# KiCad board FrontEnd_5G.kicad_pcb (continued)
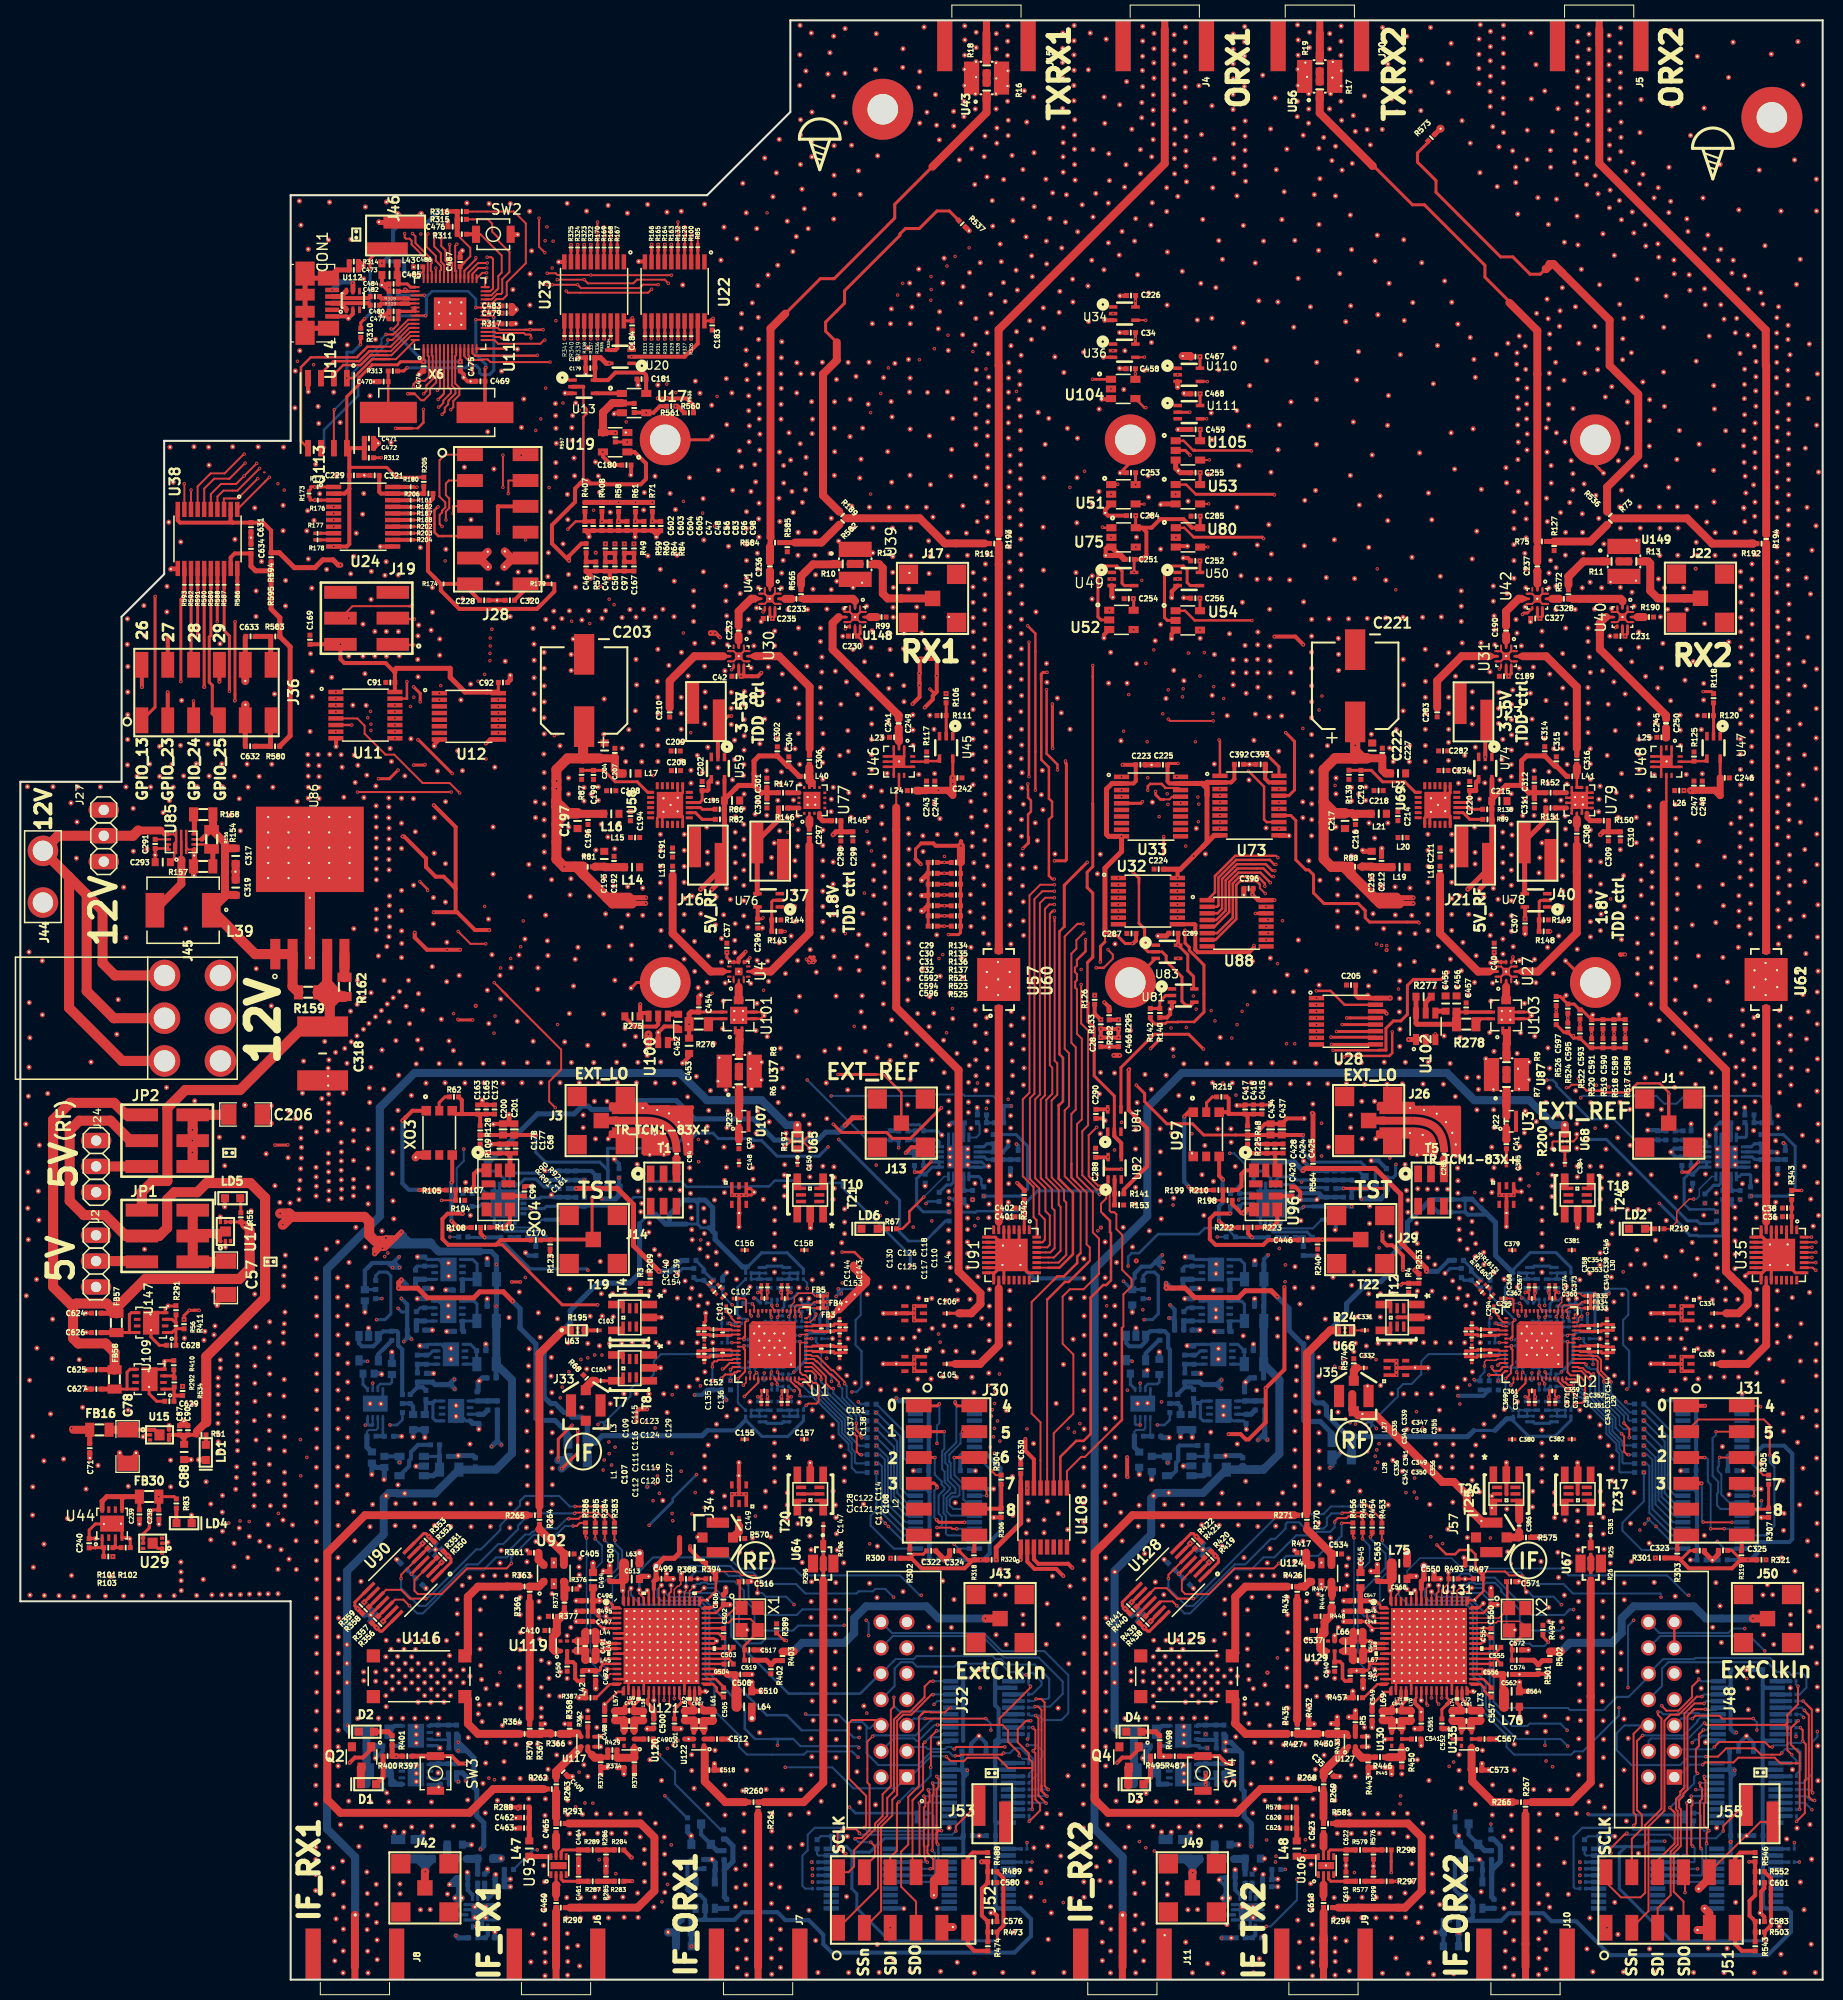
[diagram p0: board, top side]
## Routing (per net, layer and track width the routed paths; a pad name or vN(x,y) marks a point on that pad's centre or on a via; arc(x,y) is an arc through that point) (continued)
+5V_USB: length 71.8
  F.RO w0.4: C87.1 16.1,53.1 C88.1 16.1,53.18 C90.1 ; C87.1 U15.5 U15.4 ; C87.1 C90.1 ; C90.1 R51.1
  F.RO w0.5: R51.1 17.35,53.89
  F.RO w0.79: 17.35,53.89 18.24,54.78 18.28,54.78
  F.RO w1: 18.28,54.78 18.28,61.24 24.06,67.02 24.06,76.85 22.61,78.3 18.3,78.3 17.4,77.4 15.15,77.4 14.43,76.68 14.43,73.89 13.63,73.09 JP1.3 10.38,73.09 8.32,75.15 6.25,75.15 4.85,76.55 4.85,83.47 5.81,84.43 8.86,84.43 10.83,82.47 11.94,82.47
+12V: length 79.8
  F.RO w0.2: U85.1 15.31,112.35 15.08,112.58 U85.8
  F.RO w0.25: U85.1 15.13,111.65 15.13,110.22 C293.2 14.92,109.84
  F.RO w0.4: 13.78,112.95 14.15,112.58 U85.8
  F.RO w0.79: 13.78,112.95 11.58,112.95
  F.RO w1: 4.79,108.38 4.79,95.51 10,90.3 J45.1 ; 4.79,108.38 6.52,106.65 ; 4.79,108.38 J44.1 3.7,112.44 J27.2 11.06,112.44 11.58,112.95 ; 6.52,106.65 6.52,97.17 9.19,94.5 J45.2 ; 6.52,106.65 8.08,105.09 8.08,99.92 9.3,98.7 J45.3
/Clocks/VDD_CKBUF: length 95.1
  F.RO w0.3: v2(106.58,79.76) 106.68,79.66 v2(108.24,79.66)
  F.FR4 w0.3: 66.18,81.55 65.09,81.55 64.94,81.7 60.25,81.7 57.14,78.59 v2(55.44,78.59) ; 66.18,81.55 66.26,81.55 ; 66.18,81.55 67.85,81.55 68.76,82.46 72.51,82.46 73.81,81.16 80.33,81.16 80.52,81.35 84.8,81.35 87.63,78.52 87.98,78.52 88.35,78.89 89.63,78.89 90,78.52 93.11,78.52 93.11,79.13 95.83,79.13 95.83,79.15 96.44,79.76 v2(106.58,79.76) ; v2(125.94,78.4) 125.9,78.44 119.88,78.44 118.46,79.86 111.24,79.86 110.54,79.16 109.23,79.16 108.73,79.66 v2(108.24,79.66)
  B2.RO w0.3: v2(125.94,78.4) 126.14,78.59 126.35,78.59 ; U21.9 48.11,78.99 48.4,79.28 50.89,79.28 51.58,78.59 C176.1 ; 126.35,78.59 125.49,78.59 125.17,78.91 123.74,78.91 123.41,78.58 U99.9 ; 126.35,78.59 127.03,78.59
  B2.RO w0.4: R235.1 C442.1 C441.1 C439.1 128.41,78.59 127.03,78.59 ; v2(55.44,78.59) C174.2 54.57,78.58 C175.1 53.75,78.59 C176.1 52.97,78.59 51.59,78.59
/Clocks/VDDO_CKBUF: length 121
  F.RO w0.25: v2(130.87,76) 130.88,75.99
  F.FR4 w0.25: 90.53,68 91.59,68 92.1,68.51 94.8,68.51 94.97,68.68 94.97,68.67 ; 124.63,69.3 124.73,69.4
  F.FR4 w0.3: 90.53,68 89.58,68.95 88.69,68.95 v2(87.49,70.15) ; 106.5,67.95 107.36,68.81 107.72,68.81 108.21,69.3 112.41,69.3 ; v2(126.11,75.94) 125.53,75.94 125.16,76.31 120.1,76.31 v2(119.77,76.64) ; v2(45.04,76.76) 45.51,76.29 48.59,76.29 49.09,75.79 v2(50.22,75.79)
  F.FR4 w0.4: 106.5,67.95 103.98,67.95 103.26,68.67 94.97,68.67 ; 124.73,69.4 126.94,69.4 128.09,68.25 129.79,68.25 v2(131.1,69.56) ; 124.63,69.3 120.17,69.3 119.44,68.57 115.99,68.57 115.26,69.3 113.95,69.3 113.55,69.7 112.92,69.7 112.52,69.3 112.41,69.3
  B.FR4 w0.25: v2(130.87,76) 131.1,75.77 v2(131.1,69.56)
  B2.RO w0.25: 87.49,71.18 80.76,77.91 80.76,78.31 79.23,78.31 79.04,78.12 76.34,78.12 75.93,78.53 74.16,78.53 73.6,77.97 71.7,77.97 71.66,77.93 65.49,77.93 64.97,78.45 61.4,78.45 61.3,78.35 61.3,76.9 60.29,76.9 59.39,76 R115.1
  B2.RO w0.3: C166.2 51.72,76.01 51.5,75.79 v2(50.22,75.79) U21.14 ; v2(45.04,76.76) 45.07,76.79 U21.4 ; v2(119.77,76.64) 119.92,76.79 U99.4 ; C443.1 126.18,76.01 v2(126.11,75.94) 125.96,75.79 U99.14 ; v2(87.49,70.15) 87.49,71.18
  B2.RO w0.4: v2(130.87,76) 130.86,76.01 C445.1 C444.1 C443.1 128.39,76 127.03,76 ; R115.1 C164.1 C168.1 52.98,76 C166.2
/LMS8001_RF/VDDTX_#1: length 93.4
  B2.RO w0.3: FB27.1 76.98,54.93 75.45,53.4 72.9,53.4 71.29,55.01 FB26.1 ; FB28.1 76.98,69.84 75.38,71.44 72.87,71.44 71.29,69.86 FB25.1 ; 70.99,70.06 68.29,72.75 68.29,73.34 67.73,73.9 ; 66.56,74.27 66.93,73.9 67.71,73.9 ; 66.56,74.27 65.43,74.27 ; 66.56,74.27 66.59,74.3 66.59,76.26 66.44,76.41 66.44,76.61 ; 61.91,75.23 61.87,75.19 61.74,75.19 60.87,74.32 ; 67.31,76.63 67.19,76.63
  B2.RO w0.4: 67.55,53.99 70.28,53.99 71.29,55.01 ; 52.42,56.62 52.59,56.62
  B2.RO w0.5: 56.62,52.88 57.2,53.46 67.02,53.46 67.55,53.99 ; 61.91,75.23 62.46,75.23 63.42,74.27 63.8,74.27 ; 52.42,56.62 52.14,56.62 51.88,56.88 51.88,56.86 51.5,57.24 51.5,61.99 54.05,64.54 54.05,65.76 56.76,68.47 59.88,68.47 60.87,69.46 60.87,74.32 ; 68.06,73.57 67.73,73.9 67.71,73.9 ; 68.06,73.57 68.29,73.34 68.29,72.75 70.99,70.06 71.49,70.06 ; 68.06,73.57 68.06,75.88 67.31,76.63 ; 63.8,74.27 63.8,75.21 65.22,76.63 65.68,76.63 65.7,76.61 66.7,76.61 66.72,76.63 67.19,76.63 ; 63.8,74.27 65.48,74.27 ; 52.59,56.62 53.47,55.74 53.79,55.74 54.24,55.29 55.22,55.29 55.73,54.78 55.73,53.06 R93.1
  B2.RO w0.79: R98.1 55.72,51.08 R93.1 56.62,52.88
/LMS8001_RF/VDDTX_#2: length 87.4
  B2.RO w0.3: FB50.1 152.43,54.99 150.85,53.41 148.26,53.41 146.75,54.93 FB49.1 ; FB51.1 152.43,70 150.96,71.46 148.42,71.46 146.74,69.78 FB48.1 ; 144.95,53.98 142.88,53.98 ; 144.19,75.19 144.57,74.81 144.57,74.86 ; R532.1 131.17,53.37 ; 140.71,75.44 142.03,75.44 142.03,76.67 142.07,76.71
  B2.RO w0.4: 138.66,76.68 138.69,76.68 ; 142.74,76.68 142.75,76.68 143.56,75.87 ; 140.8,76.68 141.91,76.68 ; 142.03,75.44 142.28,75.19 144.19,75.19 ; 139.36,75.44 138.39,76.41
  B2.RO w0.5: 144.95,53.98 146.1,55.13 146.75,55.13 ; 142.88,53.98 142.27,53.37 131.17,53.37 ; FB48.1 145.01,71.19 145.01,74.42 143.56,75.87 ; 142.71,76.71 141.91,76.71 ; 142.71,76.71 141.91,76.71 ; 142.71,76.71 142.74,76.68 ; 141.91,76.71 141.91,76.68 ; 138.66,76.68 137.86,75.88 137.82,75.88 136.9,74.96 136.9,74.98 136.36,74.44 136.36,72.71 134.37,70.72 134.37,69.24 133.74,68.61 132.86,68.61 132.86,68.62 132.55,68.62 130.37,66.44 130.37,65.51 126.98,62.12 126.98,57.04 127.33,56.69 128.06,56.69 128.39,56.36 128.39,55.52 130.85,53.06 R532.1 ; 139.36,75.44 140.71,75.44 ; 138.69,76.68 140.8,76.68
  B2.RO w0.79: R533.1 130.85,51.34 R532.1
/LMS98001_GPIO/VDD_CON_J30: length 33.4
  F.RO w0.3: C322.1 88.76,41.82 87.83,41.82 R302.2 ; R318.2 93.14,41.26 C324.1
  F.RO w0.4: v2(94.4,41.26) R318.2 93.65,41.26 92.82,40.43 88.58,40.43 87.59,41.42 R302.2
  F.RO w0.5: R302.2 R300.1 ; R318.2 95.02,41.26 R320.1
  B2.RO w0.4: 95.3,43.02 96.33,44.05 96.33,49.48 96.34,49.48 96.34,50.29 94.93,51.71 U70.19 92.62,51.71 92.4,51.49 C389.1 ; 95.3,43.02 95.29,43.02 95.29,41.9 94.65,41.26 v2(94.4,41.26) C388.1 ; 95.3,43.02 U25.19
/LMS98001_GPIO/VDD_CON_J31: length 40.7
  F.RO w0.3: R303.2 163.37,41.42 164.12,42.17 C323.1 ; R319.2 168.25,42.19 C325.1
  F.RO w0.4: v2(169.84,41.26) R319.2 169.09,41.26 168.26,40.43 164.02,40.43 163.03,41.42 R303.2
  F.RO w0.5: R301.1 162.84,41.45 R303.2 ; R319.2 170.69,41.26 R321.1
  B2.RO w0.4: C390.1 v2(169.84,41.26) 170.09,41.26 170.74,41.91 170.74,43.02 ; 170.74,43.02 U71.19 ; 170.74,43.02 173.9,43.02 174.18,43.3 174.18,51.69 173.39,52.48 171.33,52.48 170.56,51.71 U72.19 168.06,51.71 167.85,51.49 167.85,49.99
/RP2040_MCU/VDD_CON_J28: length 23.6
  F.RO w0.4: R179.1 52.49,136.44 50.78,134.73 43.15,134.73 41.34,136.55 R174.2 40.73,137.8 40.73,137.79 40.07,138.45 40.07,145.09 40.56,145.58 R206.1
/RP2040_MCU/VDD_CON_J36: length 17.5
  F.RO w0.5: R580.2 26.52,122.26 26.52,131.01 R583.1 25.51,133.86 24.65,134.72 R595.1
/SC1905_1/VDD_CON_J52: length 37.1
  F.RO w0.4: R488.1 R489.1 95.09,9.55 C580.1 95.08,9.5 94.52,8.94 94.52,6.29 C576.1 R473.1 R474.2
  F.RO w0.5: v2(94.49,11.58) 94.5,11.59 R488.1
  B.FR4 w0.3: v2(94.49,11.58) 95.25,12.34 95.25,19.58 93.48,21.35 93.48,29.62 v2(93.44,29.66)
  B2.RO w0.3: v2(93.44,29.66) 92.68,29.66
  B2.RO w0.4: 92.68,28.87 92.5,28.69 U134.19 ; 92.68,28.87 C581.1 ; 92.68,28.87 92.68,23.48
/SC1905_2/VDD_CON_J52: length 31
  F.RO w0.3: v2(169.93,11.58) 169.94,11.59 R546.1
  F.RO w0.4: R546.1 R552.1 170.53,9.55 C601.1 170.54,8.3 169.98,7.74 169.98,6.3 170.53,5.75 C583.1 R503.1 R543.2
  B.FR4 w0.3: v2(168.68,24.29) 168.68,22.33 169.55,21.46 169.55,19.49 168.72,18.66 168.72,12.79 v2(169.93,11.58)
  B2.RO w0.3: 168.13,29.66 168.13,29.66 168.13,29.66
  B2.RO w0.4: 168.13,28.88 167.93,28.68 ; 168.13,28.88 167.93,28.68 ; 168.13,28.88 168.13,28.9 ; 167.93,28.68 U136.19 ; 168.13,28.9 168.13,24.61 168.45,24.29 v2(168.68,24.29) ; 168.13,28.9 C587.1
GND: length 1064.4
  F.RO w0.15: v2(149.85,66.27) 149.84,66.27
  F.RO w0.2: 148.03,141.7 148.03,141.71 ; 157.5,133.95 156.99,134.45 U40.3 ; 157.5,133.95 157.99,134.44 U40.1 ; 157.5,133.95 157.01,134.43 U40.4 ; 157.5,133.95 157.98,134.43 U40.12 ; 157.5,133.95 156.98,133.43 U40.6 ; 157.5,133.95 158.01,133.43 U40.10 ; 146.06,130.09 145.56,130.58 U31.4 ; 146.06,130.09 145.56,130.59 145.56,131 ; 146.06,130.09 146.56,130.59 146.56,131 ; 146.06,130.09 146.55,130.58 U31.12 ; 146.06,130.09 145.55,129.58 U31.6 ; 146.06,130.09 146.56,129.58 U31.10 ; 145.56,98.59 U27.13 ; 145.56,98.59 U27.13 ; 145.56,98.59 U27.1 ; 145.56,98.59 U27.12 ; U27.13 146.56,98.59 ; U27.13 146.56,98.59 ; U27.13 146.56,99.59 U27.6 ; U27.13 145.56,99.59 U27.10 ; 146.56,98.59 U27.3 ; 146.56,98.59 U27.4 ; 149.12,135.73 148.62,135.23 U42.6 ; 149.12,135.73 149.62,135.23 U42.10 ; 149.12,135.73 149.62,136.23 U42.12 ; 149.12,135.73 149.62,136.24 U42.1 ; 149.12,135.73 148.62,136.23 U42.4 ; J51.11 169.62,14.15 169.69,14.15 171.06,15.51 J55.2 ; 73.66,135.73 U41.13 73.18,135.23 U41.6 ; 73.66,135.73 73.16,136.23 U41.4 ; 73.66,135.73 73.18,136.21 U41.3 ; 73.66,135.73 74.18,136.24 U41.1 ; 73.66,135.73 74.17,136.23 U41.12 ; 73.66,135.73 74.16,135.23 U41.10 ; 82.06,133.92 81.57,133.43 U39.6 ; 82.06,133.92 81.55,134.43 ; 82.06,133.92 81.55,134.43 ; 82.06,133.92 82.55,134.41 U39.1 ; 82.06,133.92 82.57,134.43 U39.12 ; 82.06,133.92 82.55,133.43 U39.10 ; 81.55,134.43 U39.4 ; 81.55,134.43 U39.3 ; 71.56,130.59 71.12,130.59 70.63,130.09 71.13,130.59 71.13,131.02 ; 71.1,98.17 71.1,98.59 ; 70.1,98.17 70.1,98.59 ; U85.3 16.31,111.29 16.52,111.08 U85.4 ; 76.92,82.39 77.59,81.72 ; 76.92,82.39 77.59,83.06 77.59,83.19 ; 76.92,82.39 U65.2 76.92,82.39 ; 75.72,82.39 75.08,81.75 ; 75.72,82.39 75.26,82.85 75.26,83.21 ; 75.72,82.39 U65.4 75.72,82.39 ; 153,83.09 153,82.72 152.67,82.39 U68.2 ; 150.6,81.68 150.6,82.3 150.69,82.39 U68.4 ; U2.PAD 149.38,64.41 U2.PAD ; 70.62,130.09 71.12,129.58 U30.10 ; 70.62,130.09 70.12,130.58 U30.4 ; 70.62,130.09 70.11,129.58 U30.6 ; J51.5 166.03,6.52 ; U85.10 U85.11
  F.RO w0.25: 59.59,33.93 59.48,34.04 U121.6 ; 60.36,33.93 59.97,33.54 U121.7 ; 60.37,32.41 60,32.04 U121.10 ; 61.13,29.36 61.28,29.21 U121.21 ; 64.92,30.12 65.28,29.76 U121.29 ; 135.04,33.93 134.93,34.04 U131.6 ; 135.81,33.93 135.42,33.54 U131.7 ; 135.81,31.65 135.42,32.04 U131.10 ; 135.8,30.12 135.22,29.54 U131.15 ; 135.04,29.36 135.22,29.18 U131.18 ; 136.57,29.36 136.72,29.21 U131.21 ; 140.36,30.12 140.72,29.76 U131.29 ; 161.83,119.74 161.3,120.27 U48.3 ; 161.83,119.74 162.31,120.23 U48.1 ; 161.83,119.74 161.34,120.23 U48.4 ; 161.83,119.74 U48.13 U48.5 ; 161.83,119.74 161.3,119.21 ; 161.83,119.74 162.36,119.21 U48.10 ; 161.83,119.74 161.3,119.21 ; 161.3,119.21 U48.7 ; 161.3,119.21 U48.6 ; 154,116.67 U79.17 ; 154,116.67 U79.17 ; 154,116.67 U79.8 ; 154,116.67 154,117.19 ; U79.17 152.5,116.67 152.5,117.19 ; 152.84,116.23 152.78,116.17 U79.14 ; 153.59,115.5 153.77,115.67 U79.6 ; 153.59,115.5 153.93,115.17 U79.5 ; 153.59,115.5 153.5,115.41 U79.3 ; 153.58,116.25 153.66,116.17 U79.7 ; U103.4 148.22,95.11 148.56,94.77 148.24,94.45 U103.3 ; 120.27,107.22 C396.2 ; 86.38,119.74 85.89,120.23 U46.4 ; 86.38,119.74 U46.13 ; 86.38,119.74 U46.13 ; 86.38,119.74 86.91,119.21 U46.10 ; 86.38,119.74 85.86,119.21 ; 86.38,119.74 85.86,120.26 85.86,121.08 ; 86.38,119.74 86.88,120.23 86.88,121.08 ; U46.13 85.86,119.21 ; U46.13 U46.5 ; 85.86,119.21 U46.6 ; 85.86,119.21 U46.7 ; 72.1,94.45 72.79,94.45 73.12,94.77 72.78,95.11 72.1,95.11 ; U85.11 14.41,111.18 C291.2 C293.1 ; R157.1 17.11,109.52 U85.4 ; 64.61,114.83 65.11,114.33 U58.6 ; C327.1 148.45,133.77 148.45,133.47 ; U79.15 152.68,115.67 152.86,115.49 152.5,115.14 U79.1 ; U58.1 62.61,114.18 63.22,114.79 63.11,114.68 U58.2 ; U58.13 65.11,116.65 64.63,116.17 64.61,116.19 U58.14 ; U121.15 59.42,29.54 59.78,29.18 U121.18 ; J48.13 J48.11 ; 112.09,144.99 112.16,145.05
  F.RO w0.3: U131.32 142.34,28.29 142.73,28.29 142.79,28.35 ; 140.06,114.84 140.56,114.36 U69.6 ; 171.88,45.42 R307.2 ; U35.33 172.12,70.48 U35.19 ; U35.33 172.62,70.98 U35.13 ; U35.33 172.62,71.48 ; U35.33 172.12,71.98 U35.11 ; U35.33 172.62,71.48 ; 171.99,70.24 171.12,69.37 U35.17 ; 171.99,70.24 171.23,69.48 U35.16 169.89,69.48 169.57,69.16 ; 171.99,70.24 171.73,69.98 U35.15 ; 171.99,70.24 171.75,70.48 U35.14 ; 172.62,71.48 U35.12 ; 172.62,71.48 U35.5 ; 173.73,70.24 174.49,69.48 U35.25 ; 171.99,72.26 171.77,72.48 U35.10 ; 171.99,72.26 171.27,72.98 U35.9 ; 171.99,72.26 171.12,73.13 U35.8 ; 171.99,72.26 172.12,72.39 U35.6 ; 173.73,72.26 173.62,72.37 U35.3 ; 109.88,35.86 109.88,35.89 U128.11 ; 34.44,35.85 34.44,35.89 U90.11 ; U91.33 96.68,71.98 U91.11 ; U91.33 97.18,71.48 ; U91.33 97.18,70.98 U91.13 ; U91.33 96.68,70.48 U91.14 ; U91.33 97.18,71.48 ; U91.33 98.18,71.98 U91.3 ; 97.18,71.48 U91.12 ; 97.18,71.48 U91.5 ; 96.54,70.25 96.27,69.98 U91.15 ; 96.54,70.25 95.77,69.48 U91.16 ; 96.54,70.25 95.68,69.39 U91.17 ; 96.54,70.25 96.68,70.11 U91.19 ; 96.58,72.24 96.34,72.48 U91.10 ; 96.58,72.24 95.84,72.98 U91.9 ; 96.58,72.24 96.68,72.34 U91.6 ; 98.31,70.25 99.08,69.48 U91.25 ; 72.1,94.45 70.94,94.45 70.62,94.78 70.94,95.11 72.1,95.11 ; U121.32 66.9,28.29 67.28,28.29 67.34,28.35 ; U85.4 17.11,110.51 17.02,110.42 R157.1 ; C293.1 13.25,110.54 13.26,110.55 13.25,110.55 C291.2 ; 20.16,72 20.16,72 U14.2 ; 19.66,74.97 19.66,74.96 U14.6 ; 12.06,53.37 12.25,53.55 U15.2 ; 9.91,44.81 9.99,44.73 U44.4 10.63,43.45 10.8,43.28 R102.1 ; 12.8,65.38 12.98,65.56 U147.4 14.23,65.93 14.52,66.22 15.27,66.22 R291.2 ; 6.49,63.62 6.51,63.6 C626.2 ; 6.48,65.52 6.48,65.51 C624.2 ; 7.01,59.95 C625.2 ; 7.02,58.05 C627.2 ; 12.8,59.98 12.62,59.8 12.81,60 U109.4 14.19,60.11 14.19,60.77 14.26,60.84 R410.2 ; 23.79,85.03 C206.2 ; 14.49,42.99 14.41,42.9 U29.2 ; 12.84,63.84 12.84,63.17 13.66,62.35 C628.2 ; C629.2 13.4,56.85 12.66,57.59 12.66,58.26 ; C296.1 72.49,103.37 72.95,103.37 ; 52.08,71.81 R123.2 ; 151.6,96.41 151.37,96.64 C597.1 ; 151.6,96.41 151.94,96.75 151.95,96.75 ; 151.6,96.41 C595.1 152.74,95.89 C593.1 153.5,95.32 C591.1 ; U36.3 107.4,159.47 106.48,159.47 ; 157.16,94.36 157.16,94.85 157.13,94.88 ; 157.16,94.36 C588.1 ; 157.16,94.36 C589.1 C590.1 C591.1 ; C591.1 154.46,94.73 154.56,94.83 ; 122.9,86.1 122.78,85.98 C415.2 C416.2 C417.2 ; T15.3 147.11,77.45 147.55,77.45 ; 67.37,65.52 67.37,64.72 C115.1 ; U1.PAD 75.02,63.52 74.08,64.46 U1.PAD ; 138.95,85.71 138.43,85.71 138.21,85.49 137.99,85.49 ; 141.42,85.71 141.43,85.7 ; 136.86,85.92 136.86,86.04 136.91,86.09 ; 133.58,86.09 133.48,85.99 133.48,85.54 ; 68,151.69 67.66,151.35 U?.1 ; 108.12,148.11 109.11,149.1 U?.1 ; 155.62,148.07 154.83,148.87 U?.1 ; 151.9,100.14 154.02,98.01 U?.1 ; U83.3 109.24,98.01 U?.1 ; 60.04,97.47 60.58,98.01 U?.1 ; C29.1 C30.1 C31.1 C32.1 C592.1 C594.1 C596.1 ; 60.01,147.9 60.03,147.92 ; T6.5 71.86,77.12 72.14,77.4 71.78,77.75 T6.3 ; U103.4 146.39,95.11 U103.9 146.39,94.45 U103.3 ; R299.2 R576.2 ; T20.5 T20.2 ; U69.14 140.06,116.19 140.08,116.17 140.56,116.65 U69.13 ; U69.2 138.56,114.69 138.66,114.78 138.06,114.19 U69.1 ; 7.4,43.37 6.79,43.37 C240.2 6.77,44.19 7.38,44.8 8.2,44.8 ; C619.2 C622.1 ; C633.2 22.11,131.96 ; 35.38,140.86 35.4,140.87
  F.RO w0.35: 134.17,23.62 134.2,23.65 U130.5 ; U135.5 140.74,23.65
  F.RO w0.4: 61.78,60.13 61.79,60.13 62.94,60.13 ; 61.78,65.09 61.79,65.1 63.01,65.1 ; U120.5 58.74,23.65 58.71,23.62 ; 57.05,23.9 57.04,23.88 U117.4 ; 57.05,22.89 57.05,22.89 U117.3 ; 132.5,23.89 132.5,23.9 U127.4 ; 132.5,22.89 132.49,22.91 U127.3 ; 138.37,60.15 137.24,60.15 ; 138.37,60.15 137.24,60.15 ; 138.37,60.15 138.39,60.13 ; 137.24,60.15 135.93,60.15 T16.5 ; 135.37,65.09 135.38,65.1 137.21,65.1 T12.2 138.45,65.09 138.46,65.1 ; T13.5 161.57,60.52 161.55,60.54 160.29,60.54 160.28,60.53 ; v2(116.52,19.17) v2(116.52,20.32) ; 153.09,47.75 153.09,47.75 T17.2 153.09,50.8 153.08,50.81 ; 171.13,45.42 171.15,45.44 R307.2 ; C601.2 171.44,8.99 171.12,8.67 171.12,6.61 ; 146.1,47.7 146.09,47.71 146.09,50.81 146.08,50.82 ; 95.7,45.42 95.72,45.44 R306.2 ; T6.5 70.65,75.34 70.64,75.33 70.64,73.99 ; T3.5 87.22,65.49 84.84,65.49 ; 70.65,48.36 70.63,48.38 70.63,49.54 70.64,49.55 70.64,50.82 ; C576.2 96,6.28 95.99,6.29 95.99,6.3 95.73,6.56 95.41,6.56 ; U112.2 32.69,163.73 32.25,163.29 32.06,163.48 CON1.5 ; 36.13,166.56 C484.1 ; C484.1 36.25,166.31 ; C484.1 35.62,166.68 35.52,166.57 ; 35.64,166.56 C482.2 36.25,166.31 ; v2(36.24,166.31) 36.25,166.31 ; v2(36.25,163.55) 36.24,163.55 v2(36.25,163.55) ; v2(36.25,163.55) C477.2 35.9,163.59 35.46,163.59 35.86,163.59 C480.2 v2(36.25,163.55) ; 14.63,54.48 14.62,54.46 U15.6 ; LD4.2 16.83,44.89 16.83,45.66 ; 13.62,44.78 13.62,44.78 C238.2 ; C630.2 98.34,51.13 98.33,51.14 ; C229.2 33.25,147.87 33.82,147.87 33.83,147.85 C321.2 ; C228.2 46.05,135.57 46.87,135.57 46.87,135.58 C320.2 ; C57.2 19.84,67.69 18.97,67.69 ; 20.09,75.96 20.09,76.57 20.05,76.61 ; 39.61,158.09 C474.2 ; 142.04,41.31 142.04,40.67 142.04,41.31 ; 142.04,41.31 142.01,41.34 142.04,41.31 ; 123.72,112.48 123.76,112.44 124.71,112.44 ; v2(87.04,81.26) 87.6,81.82 J13.2 ; C200.2 46.55,84.12 46.5,84.07 ; C177.1 46.32,82.13 46.31,82.12 ; 62.71,93.1 63.3,93.69 64.66,93.69 ; 65.1,90.09 65.74,90.73 C453.1 ; 58.37,153.91 58.47,154.01 U17.3 ; 57.95,138.45 C50.2 C97.2 C167.2 ; 57.95,138.45 C49.2 R57.1 C46.2 ; 57.95,138.45 57.95,137.77 ; C56.2 60.43,142.4 60.43,141.81 ; C56.2 C48.2 C47.2 C605.2 C604.2 C603.2 C602.2 55.9,142.03 55.9,141.82 ; C56.2 C83.2 C96.2 ; 62.34,142.23 C96.2 ; C96.2 62.52,142.04 62.52,141.8 62.52,141.97 62.94,142.39 C98.2 C96.2 ; 35.4,140.87 U24.11 ; U113.4 28.28,156.1 28.3,156.07 ; U23.10 53.46,168.83 52.92,168.83 ; U20.3 60.12,160.2 60.12,160.71 ; C184.2 60.16,162.12 60.16,161.65 ; 60.69,156.72 60.69,157.24 C181.2 ; U13.3 53.56,155.92 53.54,155.94 ; 60.03,147.92 C180.2 ; U12.8 40.68,121.39 40.68,121.25 ; U11.8 31.04,122 31.04,121.21 ; C253.1 108.72,148.11 108.12,148.11 ; C226.1 108.7,165.5 108.09,165.5 ; U34.3 107.42,163.11 106.59,163.11 ; 108.67,158.38 C458.1 108.1,158.34 108.06,158.38 ; U104.3 107.16,155.35 106.31,155.35 ; 106.69,139.98 106.69,140.68 106.82,140.81 U75.3 ; U54.3 113.16,132.25 113.16,131.8 ; U52.3 106.52,132.18 106.52,131.88 ; C252.1 114.76,139.74 114.32,139.74 ; U80.3 113.67,140.9 114.73,140.9 ; U51.3 106.65,144.47 106.65,144.17 106.92,143.9 C284.1 ; R501.1 150.03,30.06 150.16,29.93 ; 45.42,85.98 45.42,86.41 45.4,86.43 ; 45.42,85.98 C163.2 ; 45.42,85.98 C165.1 C173.1 ; 126.19,84.65 124.53,84.65 C437.2 C434.2 122.37,84.12 121.86,83.61 ; C425.2 123.34,82.14 C424.2 C428.2 121.72,82.13 121.69,82.16 ; C99.2 49.64,78 50.32,78 ; C417.2 120.35,85.93 119.59,85.93 ; 125.82,76.65 125.82,77.42 125.32,77.92 C420.2 ; v2(120.22,75.34) 120.03,75.34 119.12,76.25 R198.1 ; 115.17,81.22 115.3,81.09 115.3,80.92 ; C290.1 106.42,84.64 106.63,84.43 ; U81.3 113.2,95.55 113.03,95.38 113.03,94.89 112.7,94.56 R142.1 ; C487.2 43.23,169.72 43.45,169.94 ; 44.26,157.1 43.96,157.1 43.58,157.48 43.58,157.79 C475.2 ; 63.53,39.89 63.47,39.83 C499.1 ; C256.1 115.06,135.77 115.01,135.82 114.36,135.82 ; 171.03,6.56 171.05,6.56 171.44,6.17 C583.2 ; 141.43,85.7 141.43,81.19 ; 141.43,81.19 141.43,81.21 ; 141.43,81.19 140.79,81.19 ; 141.42,85.71 137.07,85.71 136.86,85.92 ; 139.12,81.19 139.02,81.09 138.72,81.09 138.64,81.17 136.78,81.17 136.72,81.23 136.75,81.26 136.75,82.92 136.74,82.93 136.68,82.87 133.46,82.87 133.45,82.88 133.45,83.31 ; 63.67,85.73 62.88,85.73 62.74,85.59 62.71,85.59 62.61,85.49 ; 63.67,85.73 66.04,85.73 65.95,85.64 65.95,81.18 65.38,81.18 ; 63.67,85.73 63.65,85.75 61.73,85.75 61.45,86.03 58.12,86.03 ; 63.69,81.19 63.33,81.19 63.26,81.12 63.19,81.19 61.34,81.19 61.26,81.27 61.26,82.85 ; 61.26,82.85 61.26,82.94 ; 61.26,82.85 61.2,82.91 58.05,82.91 58.03,82.93 58.03,83.29 ; 58.12,86.03 58.14,86.03 ; 58.12,86.03 58.05,85.96 58.05,85.57 ; T2.5 87.88,60.53 87.88,60.53 84.83,60.53 ; 141.9,41.47 142.04,41.33 ; C392.2 C393.2 ; 55.59,157.79 55.58,157.8 C179.2 55.57,158.41 C182.2 54.99,159.42 54.98,159.43 ; 113.2,135.91 113.2,136.46 U50.3 113.18,136.44 113.18,135.83 ; 108.06,161.89 C34.1 ; 160.3,65.49 160.31,65.5 T14.5 ; 52.08,71.17 52.08,71.81 ; 136.91,86.09 133.58,86.09 ; C466.1 C28.1 ; C473.2 33.28,168.05 33.7,168.47 33.31,168.86 R314.2 ; T15.5 146.09,74.02 146.08,74.01 ; 42.01,172.81 42.01,172.33 ; C485.1 35.54,166.71 ; 60.78,168.88 61.35,168.88 ; C87.2 C90.2 ; C239.2 11.7,44.78 ; 14.86,138.71 U38.11 15.41,138.64 14.79,138.64 14.86,138.71
  F.RO w0.5: 79.56,65.07 83.31,68.81 83.11,68.81 ; 81.97,69.96 81.97,70.16 ; T18.2 153.08,73.92 153.08,73.92 ; 143.68,21.24 143.68,20.66 C573.1 ; 68.23,21.23 68.23,20.65 C518.1 68.87,20.6 ; C563.1 132.82,40.1 132.76,40.16 ; 63.53,39.46 C499.1 ; 147.37,30 149.16,30 R501.1 ; 149.18,43.51 148.5,43.51 R575.1 149.2,43.47 ; C223.2 110.55,119.41 111.21,119.41 111.21,119.41 C225.2 ; R286.2 57.58,11.84 57.58,11.17 57.57,11.16 R285.2 ; C464.1 54.88,11.84 54.88,11.17 54.87,11.16 C461.2 ; C409.1 53.84,19.96 54.26,19.96 ; T10.2 77.67,75.22 77.67,73.9 ; 39.65,158.12 C474.2 39.54,158.13 39.21,157.8 ; 43.26,158.11 C475.2 ; R317.1 48.27,162.77 48.7,162.77 ; C469.2 44.77,157.1 44.26,157.1 ; C470.2 35.26,157.07 34.76,157.07 ; 62.7,92.41 62.7,93.09 62.71,93.1 ; 66.78,96.69 66.85,96.77 66.69,96.6 C454.1 ; R157.1 17.02,108.56 17.06,108.52 ; C71.2 6.83,51.79 6.83,51.28 ; C87.2 16.06,54.86 16.06,54.89 16.06,54.85 C90.2 ; C88.2 16.12,51.11 16.78,51.11 ; LD1.2 18.2,51.11 17.52,51.11 ; 20.09,67.36 19.34,66.61 19.34,66.28 ; C206.2 23.79,85.06 24.63,85.9 ; C325.2 166.92,41.82 166.33,41.23 165.54,42.02 C323.2 ; C324.2 91.35,41.69 90.89,41.23 90.89,41.25 C322.2 ; v2(120.22,75.34) 120.58,75.7 121.27,75.7 ; 77.64,50.81 77.65,50.8 T9.2 ; C30.1 88.6,108.1 88.6,108.06 ; C32.1 89.19,106.56 88.62,106.56 ; C592.1 88.73,105.05 88.59,105.05 ; C46.2 56.04,138.04 56.04,137.77 ; J46.2 35.32,172.71 35.25,172.77 ; J46.2 37.68,172.99 37.08,173.59 ; J46.2 38.51,172.71 39.41,173.6 ; 48.05,84.12 C200.2 ; 48.05,84.12 C201.2 ; 48.05,84.12 48.04,84.13 48.04,85.01 ; C68.2 47.9,82.14 C177.1 C178.1 ; C213.1 132.05,110.91 131.94,111 ; C212.1 133.81,111.17 133.84,111.2 ; 112.16,145.05 U53.3 ; U105.3 113.57,148.56 114.01,148.12 C255.1 ; C468.1 114.44,155.87 114.39,155.92 ; U110.3 113.76,156.54 113.77,156.53 ; 106.69,139.98 108.22,139.98 C251.1 108.46,139.6 U75.3 ; U49.3 107.29,135.97 107.39,135.87 ; 139.59,181.93 R573.1 ; 22.11,131.96 J36.11 ; J36.5 22.11,121.26 C632.2 ; C289.1 112.65,102.59 111.84,102.59 ; 132,28.64 131.99,28.65 C543.2 131.99,28.72 ; R433.1 129.4,25.17 128.86,25.17 ; SW2.1 48.23,171.52 48.88,171.52 ; 147.92,102.8 147.92,102.81 C307.1 ; 56.3,40.94 56.29,40.93 C494.1 ; C506.1 69.1,37.83 69.34,38.07 69.34,38.51 ; 56.56,28.63 56.57,28.6 56.54,28.63 C492.2 ; C92.2 47.89,127.49 48.16,127.76 48.16,128.2 ; 120.27,106.62 120.27,107.22 ; 6.49,58.05 7.02,58.05 ; 57.31,40.16 57.37,40.1 C509.1 57.94,40.7 ; C473.2 R314.2 ; C631.2 C634.2 ; 80.53,60.11 80.44,60.11 ; R537.1 93.26,171.9 ; 11.38,51.78 11.38,51.58 C78.2 9.77,51.52 9.77,51.78 ; 129.2,33.28 129.2,33.81 ; 126.66,25.81 R432.1 126.67,25.12 127.18,25.12 ; 17.11,110.17 U85.4 ; 24.65,84.17 23.79,85.03 ; C487.2 43.23,169.35 ; C459.1 113.8,152.37 ; 6.48,59.95 7.01,59.95 ; U122.5 65.29,23.65 ; 48.37,163.81 48.73,164.16 48.37,164.52 C483.1 C479.1 48.37,163.81 ; 35.18,151.01 35.18,151 C472.2 C471.2 35.18,151.01
  F.RO w0.51: C513.1 61.11,39.64 61.76,39.64 ; 64.18,39.39 64.17,39.4 C499.1 ; 72.8,28.35 72.79,28.34 C510.1 71.91,28.35 71.91,29.24 ; C492.2 56.55,29.41 56.55,28.73 ; 61.68,24.72 61.62,24.66 62.2,24.66 C500.2 ; 64.93,24.66 64.36,24.66 C501.2 ; 62.26,23.01 62.26,23.59 C490.2 ; C497.2 54.65,35.21 54.64,35.2 ; C571.2 147.26,39.12 147.29,39.15 ; C568.1 136.56,39.65 137.21,39.65 ; C563.1 133.4,40.79 133.39,40.8 ; C547.1 130.77,37.23 130.09,37.23 ; C548.2 130.77,35.2 130.09,35.2 ; C551.2 137.65,24.66 137.08,24.66 ; C552.2 139.8,24.66 140.38,24.66 ; 137.71,23.01 137.71,23.59 C541.2 ; 134.79,20.21 134.8,20.22 134.8,20.85 134.15,20.85 ; 133.14,20.85 132.56,20.85 R443.1 132.5,20.22 ; 130.98,28.35 130.98,27.76 R457.1 130.34,27.71 ; 130.59,25.81 131.18,25.81 R5.1 131.24,26.44 ; 139.62,39.39 139.61,39.4 C550.1 138.98,39.46 138.98,40.03 ; 57.69,20.85 57.12,20.85 R372.1 57.05,20.22 ; 131.74,41.17 C545.1 ; 58.7,20.85 58.71,20.84 59.35,20.84 59.34,20.84 59.34,20.21 ; 129.02,19.97 129.71,19.97 ; 147.36,29.24 147.35,29.23 C564.1 148.24,28.34 148.25,28.35 ; 129.45,25.81 R433.1 129.4,25.17 ; 54.64,36.22 C495.2 ; 55.53,28.35 55.53,27.77 R387.1 54.89,27.71 ; C567.1 145.08,23.65 ; C572.2 148.25,32.41 ; 144.57,38.5 C560.1 ; C573.1 144.32,20.6 ; 132.88,24.79 C549.2 ; 71.91,30 C508.1 ; 130.09,36.22 C546.2 ; 60.36,20.22 R378.1 ; 54.64,37.24 C496.1 ; 72.81,32.41 C517.2 ; C562.1 147.37,30 ; C512.1 69.63,23.65
  F.RO w0.79: C319.1 21.17,108.88 21.15,108.91 21.17,108.93 C317.1 ; J52.5 90.66,5.17 91.67,5.17 ; J52.11 89.8,9.77 89.8,8.3 ; 38.85,80.82 39.09,81.06 XO3.2 ; 114.26,159.59 114.99,159.59 C467.1 ; J51.11 166.03,9.98 164.98,8.93 ; J36.5 22.11,125.3 22.13,125.32 ; 142.2,46.5 142.2,46.34 142.2,47.64 140.92,48.92 139.78,48.92 ; 139.61,181.93 139.59,181.93 ; 47.57,138.87 48.44,139.73 J28.11 48.27,139.73 47.62,140.38 ; 165.56,7 166.03,6.52 J51.5 165.81,4.88 164.87,4.88 ; 22.11,127.64 J36.11 ; 45.98,138.87 45.11,139.73 J28.5 45.33,139.73 45.95,140.35
  F.RO w0.8: 143.62,45.07 143.62,45.08 142.2,46.5 ; 139.78,48.92 133.23,55.47 131.51,55.47 130.93,56.05 130.93,57.56 ; 81.94,70.19 81.97,70.16 81.97,69.96 83.11,68.81 83.11,68.52 80.48,65.89